# Altium PCB HORNET-1-IPG.PcbDoc (part 6 of 8) (continued)
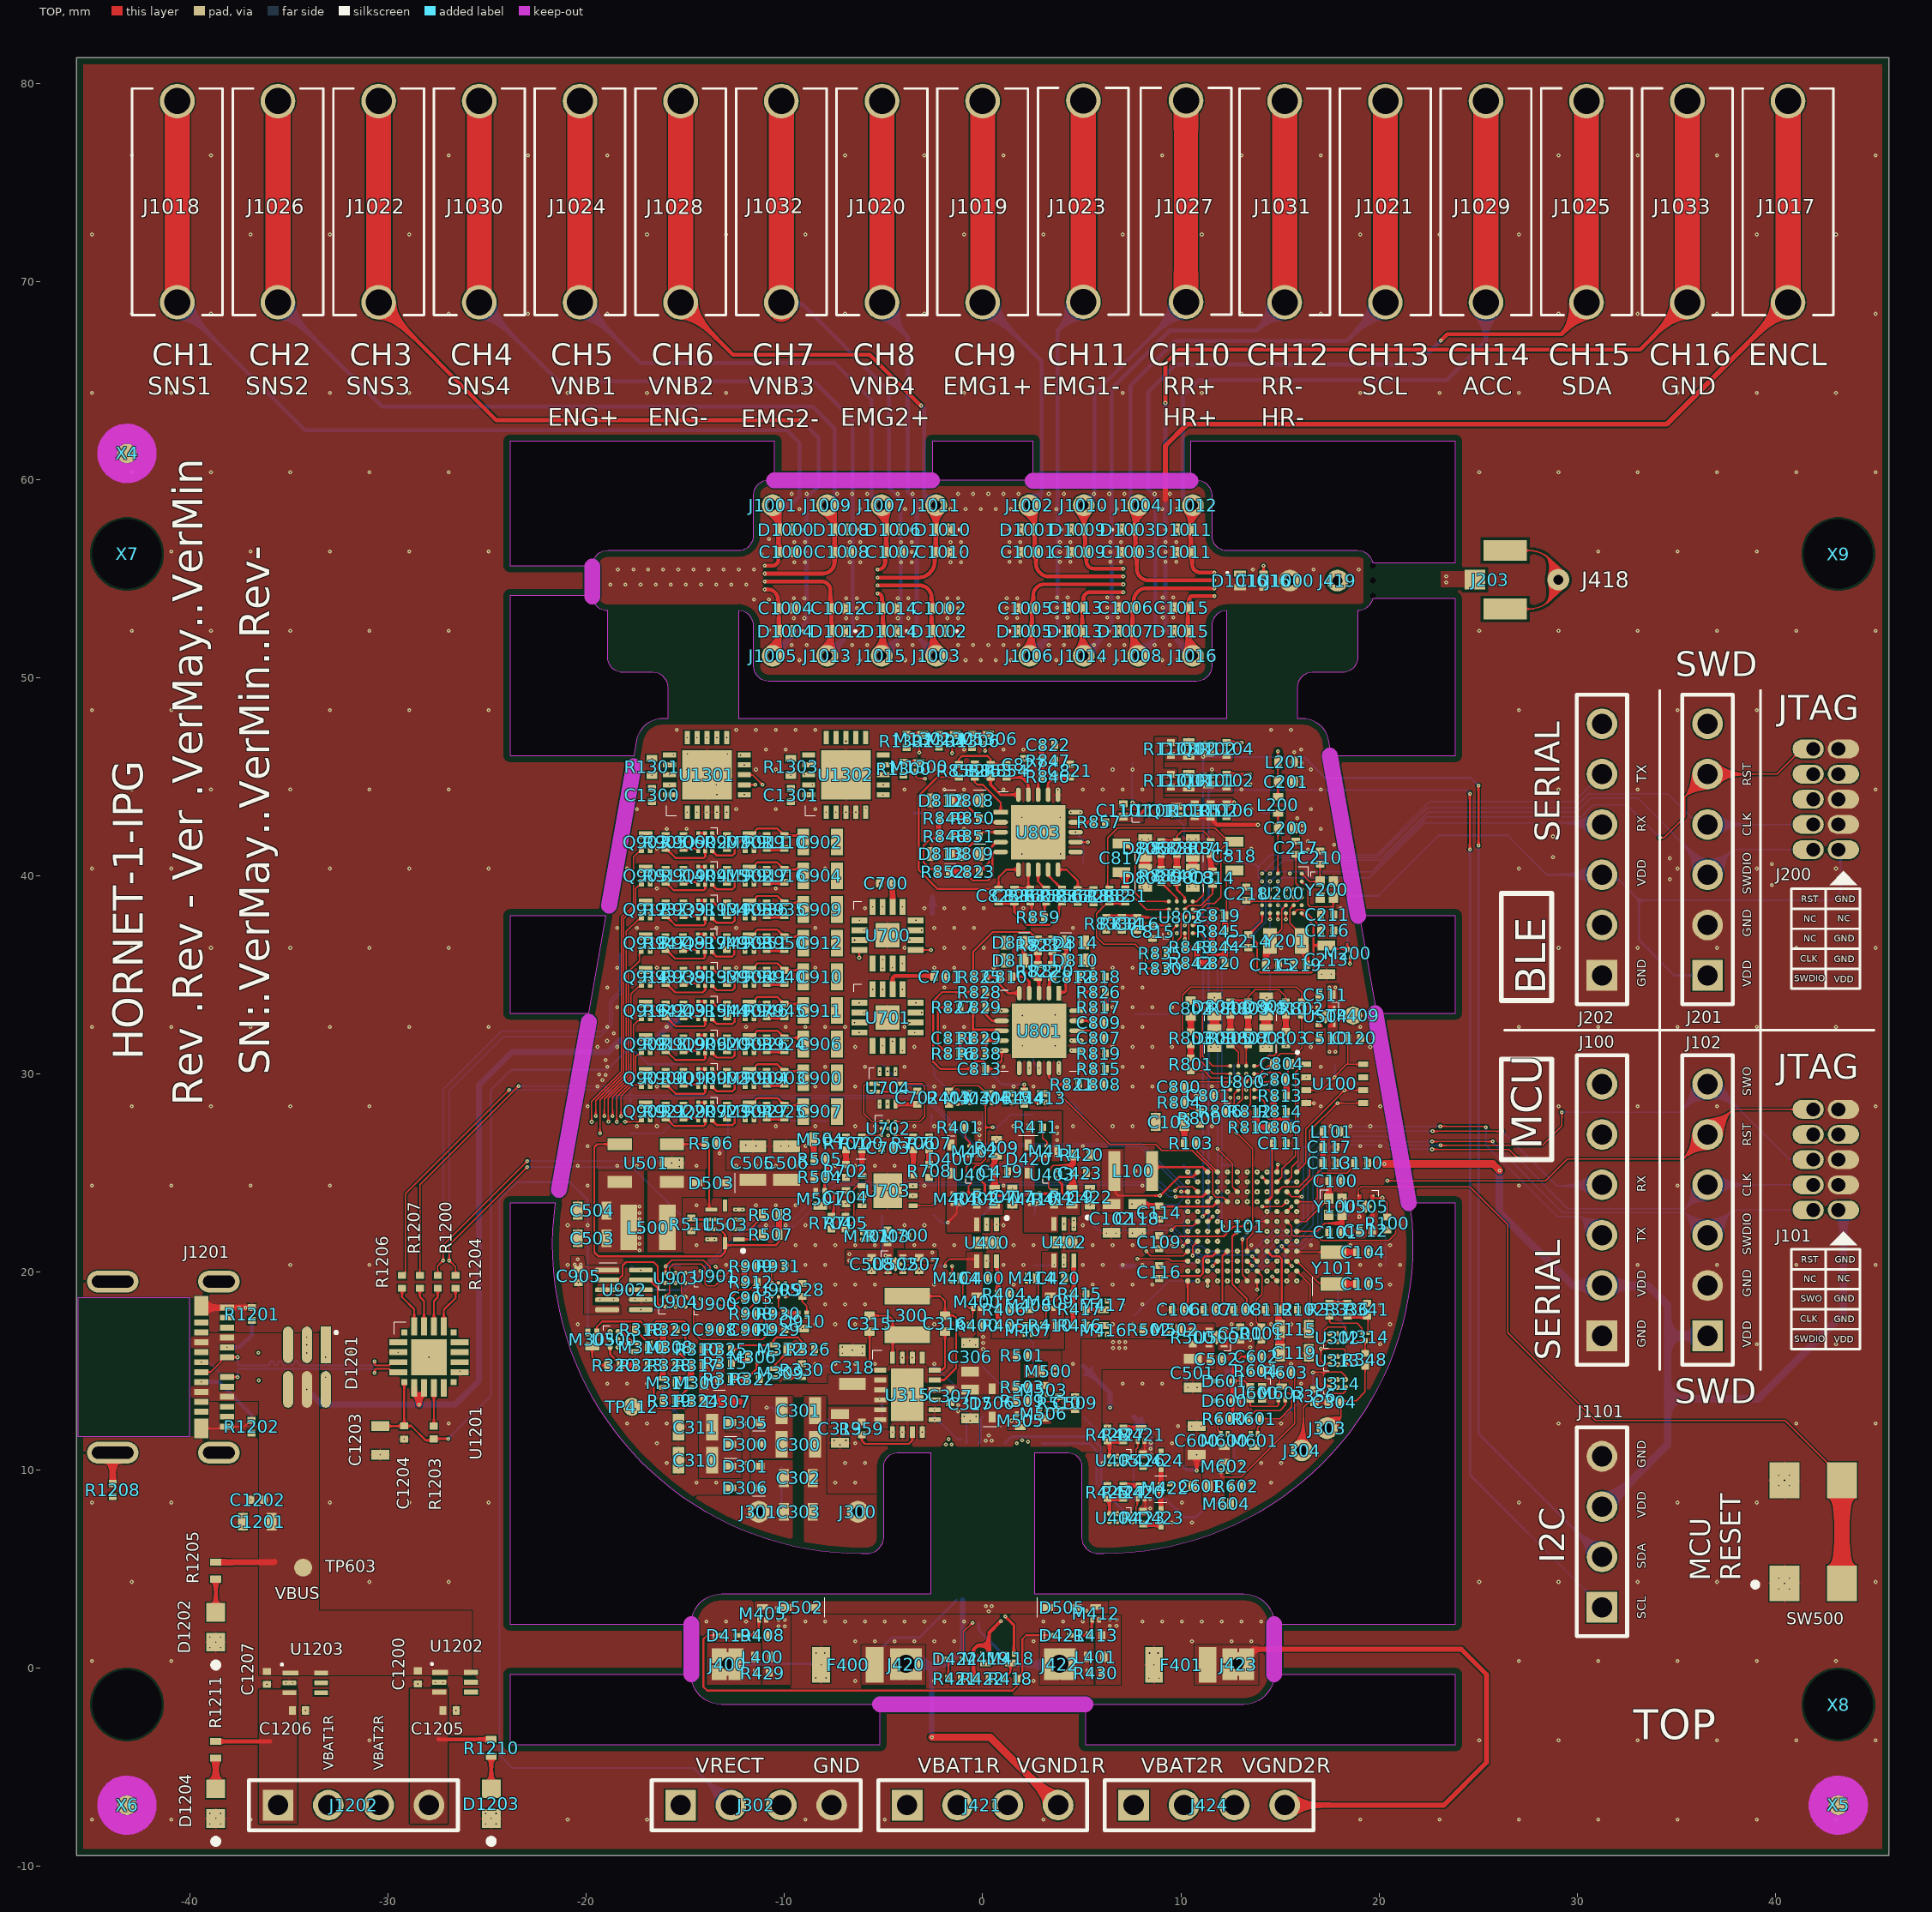
[diagram p0: TOP view]
## Nets (pads, with @x,y where several pads share a name; then routed paths per layer and width w, separated by ;. In a path a pad name is that pad's centre, name@x,y a point inside that pad or via, vN(x,y) a via of type N, cw(c..) or ccw(c..) an arc to the next point about the centre after c; other vN are vias at no path point) (continued)
NetM505_1: M505.1 M506.3 R509.2
NetM600_2: M600.2 R600.2 | length 0.8
  TOP w0.06: R600.2@11.875,12.6 11.875,12.025 12.025,11.875 M600.2@12.025,11.825
NetQ900_1: Q900.1 R902.1 | length 1.4
  TOP w0.1: Q900.1@-13.65,30.25 -13.6,30.2 -13.6,30.175 -13.05,29.625 -13.05,29.6 -12.925,29.475 R902.1@-12.9,29.475 ; Q900.1@-13.615,30.175 Q900.1@-13.615,30.2 ; Q900.1@-13.665,30.25 Q900.1@-13.658,30.242 ; Q900.1@-13.665,30.25 Q900.1@-13.658,30.242 ; Q900.1@-13.665,30.25 Q900.1@-13.615,30.2 ; Q900.1@-13.658,30.242 Q900.1@-13.615,30.2 ; Q900.1@-13.658,30.242 Q900.1@-13.615,30.2 ; Q900.1@-13.658,30.242 Q900.1@-13.615,30.2
NetQ900_4: Q900.4 R901.2 | length 0.8
  TOP w0.1: R901.2@-15.1,29.475 -14.475,29.475 Q900.4@-14.35,29.35
NetQ902_1: Q902.1 R907.1 | length 1.3
  TOP w0.1: Q902.1@-13.65,42.15 -13.6,42.1 -13.6,42.075 -13.05,41.525 -13.05,41.5 -12.925,41.375 R907.1@-12.9,41.375 ; Q902.1@-13.615,42.075 Q902.1@-13.615,42.1 ; Q902.1@-13.665,42.15 Q902.1@-13.615,42.1 ; Q902.1@-13.665,42.15 Q902.1@-13.615,42.1 ; Q902.1@-13.665,42.15 Q902.1@-13.615,42.1
NetQ902_4: Q902.4 R906.2 | length 0.8
  TOP w0.1: R906.2@-15.1,41.375 -14.475,41.375 Q902.4@-14.35,41.25
NetQ904_1: Q904.1 R915.1 | length 1.3
  TOP w0.1: Q904.1@-13.65,40.45 -13.6,40.4 -13.6,40.375 -13.05,39.825 -13.05,39.8 -12.925,39.675 R915.1@-12.9,39.675 ; Q904.1@-13.615,40.375 Q904.1@-13.615,40.4 ; Q904.1@-13.665,40.45 Q904.1@-13.615,40.4 ; Q904.1@-13.665,40.45 Q904.1@-13.615,40.4 ; Q904.1@-13.665,40.45 Q904.1@-13.615,40.4
NetQ904_4: Q904.4 R914.2 | length 0.8
  TOP w0.1: R914.2@-15.1,39.675 -14.475,39.675 Q904.4@-14.35,39.55
NetQ906_1: Q906.1 R920.1 | length 1.3
  TOP w0.1: Q906.1@-13.65,31.95 -13.6,31.9 -13.6,31.875 -13.05,31.325 -13.05,31.3 -12.925,31.175 R920.1@-12.9,31.175 ; Q906.1@-13.615,31.875 Q906.1@-13.615,31.9 ; Q906.1@-13.665,31.95 Q906.1@-13.615,31.9 ; Q906.1@-13.665,31.95 Q906.1@-13.615,31.9 ; Q906.1@-13.665,31.95 Q906.1@-13.615,31.9
NetQ906_4: Q906.4 R919.2 | length 0.8
  TOP w0.1: R919.2@-15.1,31.175 -14.475,31.175 Q906.4@-14.35,31.05
NetQ907_1: Q907.1 R923.1 | length 1.3
  TOP w0.1: Q907.1@-13.65,28.55 -13.6,28.5 -13.6,28.475 -13.05,27.925 -13.05,27.9 -12.925,27.775 R923.1@-12.9,27.775 ; Q907.1@-13.615,28.475 Q907.1@-13.615,28.5 ; Q907.1@-13.665,28.55 Q907.1@-13.615,28.5 ; Q907.1@-13.665,28.55 Q907.1@-13.615,28.5 ; Q907.1@-13.665,28.55 Q907.1@-13.615,28.5
NetQ907_4: Q907.4 R922.2 | length 0.8
  TOP w0.1: R922.2@-15.1,27.775 -14.475,27.775 Q907.4@-14.35,27.65
NetQ910_1: Q910.1 R928.2 | length 1
  TOP w0.06: R928.2@-9.1,18.775 -9.1,18.5 -8.875,18.275 Q910.1@-8.875,17.85
NetQ911_1: Q911.1 R934.1 | length 1.3
  TOP w0.1: Q911.1@-13.65,38.75 -13.6,38.7 -13.6,38.675 -13.05,38.125 -13.05,38.1 -12.925,37.975 R934.1@-12.9,37.975 ; Q911.1@-13.615,38.675 Q911.1@-13.615,38.7 ; Q911.1@-13.665,38.75 Q911.1@-13.615,38.7 ; Q911.1@-13.665,38.75 Q911.1@-13.615,38.7 ; Q911.1@-13.665,38.75 Q911.1@-13.615,38.7
NetQ911_4: Q911.4 R933.2 | length 0.8
  TOP w0.1: R933.2@-15.1,37.975 -14.475,37.975 Q911.4@-14.35,37.85
NetQ913_1: Q913.1 R939.1 | length 1.3
  TOP w0.1: Q913.1@-13.65,35.35 -13.6,35.3 -13.6,35.275 -13.05,34.725 -13.05,34.7 -12.925,34.575 R939.1@-12.9,34.575 ; Q913.1@-13.615,35.275 Q913.1@-13.615,35.3 ; Q913.1@-13.665,35.35 Q913.1@-13.615,35.3 ; Q913.1@-13.665,35.35 Q913.1@-13.615,35.3 ; Q913.1@-13.665,35.35 Q913.1@-13.615,35.3
NetQ913_4: Q913.4 R938.2 | length 0.8
  TOP w0.1: R938.2@-15.1,34.575 -14.475,34.575 Q913.4@-14.35,34.45
NetQ915_1: Q915.1 R944.1 | length 1.4
  TOP w0.1: Q915.1@-13.65,33.65 -13.6,33.6 -13.6,33.575 -13.05,33.025 -13.05,33 -12.925,32.875 R944.1@-12.9,32.875 ; Q915.1@-13.615,33.575 Q915.1@-13.615,33.6 ; Q915.1@-13.665,33.65 Q915.1@-13.658,33.642 ; Q915.1@-13.665,33.65 Q915.1@-13.658,33.642 ; Q915.1@-13.665,33.65 Q915.1@-13.615,33.6 ; Q915.1@-13.658,33.642 Q915.1@-13.615,33.6 ; Q915.1@-13.658,33.642 Q915.1@-13.615,33.6 ; Q915.1@-13.658,33.642 Q915.1@-13.615,33.6
NetQ915_4: Q915.4 R943.2 | length 0.8
  TOP w0.1: R943.2@-15.1,32.875 -14.475,32.875 Q915.4@-14.35,32.75
NetQ917_1: Q917.1 R949.1 | length 1.1
  TOP w0.1: Q917.1@-13.668,37.05 -13.618,37 -13.618,36.975 -13.068,36.425 -13.068,36.4 -12.943,36.275 R949.1@-12.918,36.275
NetQ917_4: Q917.4 R948.2 | length 0.8
  TOP w0.1: R948.2@-15.118,36.275 -14.493,36.275 Q917.4@-14.368,36.15
NetQ1103_3: Q1103.3 R1101.1 R1103.1 R1105.1 U1101.4
NetR101_2: R101.2 U101.B5 | length 3.2
  TOP w0.06: U101.B5@13.85,20.05 14.095,19.805 14.095,18.874 13.8,18.579 13.8,17.485 R101.2@14.07,17.215
NetR102_1: R102.1 U101.B1 | length 2.2
  TOP w0.06: U101.B1@15.85,20.05 16.525,19.375 R102.1@16.525,18.1
NetR103_1: R103.1 U101.M9 | length 2.7
  TOP w0.06: U101.M9@11.85,25.05 10.8,26.1 ; 10.8,26.1 R103.1@10.8,26.5 ; 10.8,26.1 R103.1@10.8,26.5 ; 10.8,26.1 R103.1@10.8,26.5
NetR320_2: R320.2 R323.1 U300.C1 | length 1.9
  TOP w0.1: U300.C1@-18.8,16.2 -18.8,15.85 -18.4,15.45 -18.275,15.325 R320.2@-18.275,15.3
  TOP w0.254: R320.2@-18.275,15.3 R323.1@-17.525,15.3
NetR404_1: R404.1 R405.1 R406.1 U400.6 | length 4.4
  TOP w0.2: U400.6@0.7,20.6 U400.6@0.725,20.575 ; R406.1@0.775,18.1 R405.1@0.775,17.325 ; R406.1@0.775,18.125 R404.1@0.775,18.9 0.775,20.025 0.725,20.075 ; 0.725,20.075 U400.6@0.725,20.575 ; 0.725,20.075 U400.6@0.725,20.575 ; 0.725,20.075 U400.6@0.725,20.575 ; R405.1@0.775,17.325 R405.1@0.8,17.3 ; R405.1@0.775,17.325 R405.1@0.8,17.3 ; R405.1@0.775,17.325 R405.1@0.8,17.3
NetR415_1: R415.1 R416.1 R417.1 U402.6 | length 6.7
  TOP w0.2: R417.1@4.575,18.1 R416.1@4.575,17.325 ; R417.1@4.575,18.125 R415.1@4.575,18.9 ; R416.1@4.575,17.325 R416.1@4.6,17.3 ; R416.1@4.575,17.325 R416.1@4.6,17.3 ; R416.1@4.575,17.325 R416.1@4.6,17.3 ; R415.1@4.6,18.9 U402.6@4.6,20.575 ; R415.1@4.6,18.9 U402.6@4.6,20.575 ; R415.1@4.6,18.9 U402.6@4.6,20.575
NetR424_2: R424.2 R425.1 U404.C1 | length 1.6
  TOP w0.06: R425.1@6.3,8.575 R425.1@6.4,8.475
  TOP w0.152: U404.C1@6.4,7.8 R425.1@6.4,8.475
  TOP w0.254: R425.1@6.3,8.575 R424.2@7.1,8.575
NetR427_2: R427.2 R428.1 U405.C1 | length 1.6
  TOP w0.07: R428.1@6.3,11.475 R428.1@6.4,11.475
  TOP w0.152: U405.C1@6.4,10.7 R428.1@6.4,11.475
  TOP w0.254: R428.1@6.4,11.475 R427.2@7.1,11.475
NetR506_1: R506.1 U501.3 U503.6 | length 5.2
  TOP w0.1: U501.3@-15.69,26.45 -14.075,26.45 R506.1@-14.025,26.5 -14.025,26.475 -13.9,26.35 -13.875,26.35 -13.8,26.275 -13.8,23.2 -13.75,23.15 U503.6@-13.7,23.15
NetR511_1: R511.1 U503.7 | length 1.1
  TOP w0.1: U503.7@-13.7,22.65 R511.1@-14.55,22.65 ; R511.1@-14.6,22.6 R511.1@-14.588,22.612 ; R511.1@-14.6,22.6 R511.1@-14.588,22.612 ; R511.1@-14.6,22.6 R511.1@-14.55,22.65 ; R511.1@-14.6,22.6 R511.1@-14.588,22.612 ; R511.1@-14.588,22.612 R511.1@-14.55,22.65 ; R511.1@-14.588,22.612 R511.1@-14.55,22.65 ; R511.1@-14.588,22.612 R511.1@-14.55,22.65
NetR700_1: R700.1 U702.B1 U702.C1 | length 1.3
  TOP w0.06: R700.1@-6.1,26.825 R700.1@-6.025,26.75 ; R700.1@-5.99,26.895 U702.C1@-5.145,26.895 ; U702.C1@-5.115,26.925 U702.B1@-5.115,27.245
NetR700_2: R700.2 R701.1 U703.1 | length 2.4
  TOP w0.06: R701.1@-6.9,26.825 -6.875,26.825 -6.354,26.304 -6.204,26.304 R700.2@-6.1,26.2 ; R700.2@-6.1,26.175 R700.2@-6.085,26.16
  TOP w0.254: U703.1@-6.085,24.85 R700.2@-6.085,26.16
NetR701_2: R701.2 R702.1 U703.4 | length 3.2
  TOP w0.06: R702.1@-6.9,25.4 v8(-6.9,25.421) R702.1@-6.9,25.425
  TOP w0.254: R702.1@-6.9,25.425 R701.2@-6.9,26.175
  AVERT w0.1: v8(-6.9,25.421) -6.5,25.021 -6.5,23.765 v8(-6.085,23.35)
NetR704_1: R704.1 R705.1 U703.2 | length 3.5
  TOP w0.06: R704.1@-7.638,22.162 R705.1@-6.918,22.162 ; R705.1@-6.961,22.119 R705.1@-6.918,22.162 ; U703.2@-6.085,24.35 -6.095,24.36 -6.335,24.36 -6.509,24.186 -6.509,22.571 R705.1@-6.918,22.162
NetR706_1: R706.1 U702.B3 U702.C3 | length 1.3
  TOP w0.06: U702.B3@-4.414,27.245 U702.C3@-4.414,26.895 R706.1@-3.54,26.895 ; R706.1@-3.575,26.75 R706.1@-3.5,26.825
NetR706_2: R706.2 R707.1 U703.8 | length 2.9
  TOP w0.06: R706.2@-3.5,26.175 -3.371,26.304 -3.246,26.304 R707.1@-2.75,26.8 ; U703.8@-3.5,24.9 U703.8@-3.4,24.8 ; U703.8@-3.5,24.9 U703.8@-3.4,24.8 ; U703.8@-3.5,24.9 U703.8@-3.4,24.8 ; R707.1@-2.75,26.8 R707.1@-2.7,26.8 ; R707.1@-2.75,26.8 R707.1@-2.7,26.8 ; R707.1@-2.75,26.8 R707.1@-2.7,26.8
  TOP w0.254: U703.8@-3.5,24.9 R706.2@-3.5,26.175
NetR707_2: R707.2 R708.1 U703.5 | length 4.3
  TOP w0.06: U703.5@-3.515,23.35 -2.55,23.35 -2.205,23.695 -2.205,25.255 -2.375,25.425 R708.1@-2.7,25.425
  TOP w0.254: R708.1@-2.7,25.425 R707.2@-2.7,26.175
NetR801_2: R801.2 R802.2 R803.1 | length 10.1
  TOP w0.06: R803.1@10.5,31.475 10.475,31.475 10.08,31.87 10.08,33.976 10.484,34.38 15.83,34.38 16.1,34.11 R802.2@16.1,33.625
  TOP w0.254: R801.2@10.5,30.802 R803.1@10.5,31.475
NetR806_1: R806.1 U800.B2 | length 1.2
  TOP w0.06: R806.1@12.4,28.2 12.47,28.27 12.695,28.495 12.695,28.995 U800.B2@12.9,29.2
NetR808_2: R808.2 R809.2 R810.1 | length 3.6
  TOP w0.06: R809.2@13.4,33.625 13.4,33.9 13.76,34.26 14.94,34.26 15.3,33.9 R810.1@15.3,33.625
  TOP w0.254: R808.2@12.5,33.625 R809.2@13.4,33.625
NetR813_2: R813.2 R814.1 U800.D2 | length 2.7
  TOP w0.06: U800.D2@13.7,29.2 14.4,29.2 R813.2@14.53,29.07 ; R813.2@14.53,29.07 R813.2@14.688,28.913 ; R813.2@14.53,29.07 R813.2@14.688,28.913 ; R813.2@14.53,29.07 R813.2@14.688,28.913 ; R813.2@14.53,29.07 R813.2@14.688,28.913 ; R814.1@14.675,28.125 R814.1@14.7,28.1 ; R814.1@14.675,28.125 R814.1@14.7,28.1 ; R814.1@14.675,28.125 R814.1@14.7,28.1
  TOP w0.254: R814.1@14.675,28.125 R813.2@14.675,28.9
NetR817_1: R817.1 R818.2 R826.2 | length 1.6
  TOP w0.102: R817.1@6.189,33.354 R826.2@6.189,34.129 R818.2@6.189,34.905
NetR821_1: R821.1 U801.14 | length 1.5
  TOP w0.127: U801.14@3.345,30.291 3.345,29.833 3.708,29.469 R821.1@4.197,29.469
NetR823_2: R823.2 R824.2 R825.1 | length 5.8
  TOP w0.102: R825.1@-0.488,34.902 -0.488,36.164 0.507,37.159 2.392,37.159 2.73,36.821 R823.2@2.785,36.821 R824.2@3.516,36.821
NetR830_1: R830.1 R831.2 R832.1 | length 6.8
  TOP w0.06: R832.1@6.4,38.675 6.255,38.53 6.187,38.53 5.74,38.084 5.74,36.906 6.112,36.534 7.687,36.534 8.204,36.017 8.204,35.462 8.346,35.319 R830.1@8.653,35.319 ; R831.2@7.175,38.675 R831.2@7.2,38.7
  TOP w0.254: R832.1@6.4,38.675 R831.2@7.175,38.675
NetR835_1: R835.1 U802.B2 | length 1.6
  TOP w0.06: R835.1@9.303,36.1 9.303,36.403 9.595,36.695 9.595,36.88 9.595,37.181 9.595,37.295 U802.B2@9.8,37.5
NetR836_2: R836.2 R837.2 R841.1 | length 3.7
  TOP w0.06: R836.2@9.8,41.725 9.8,42 10.06,42.26 11.14,42.26 11.4,42 ; R841.1@11.4,41.725 11.4,42 ; R841.1@11.4,41.725 11.4,42 ; R841.1@11.4,41.725 11.4,42
  TOP w0.254: R837.2@9,41.725 R836.2@9.8,41.725
NetR844_1: R844.1 R845.2 U802.D2 | length 2
  TOP w0.06: U802.D2@10.6,37.5 10.855,37.5 11.3,37.5 11.43,37.37 R845.2@11.575,37.225 ; R844.1@11.5,36.3 11.575,36.375 R844.1@11.575,36.4
  TOP w0.254: R844.1@11.575,36.4 R845.2@11.575,37.225
NetR848_2: R848.2 R849.2 R852.1 | length 3.6
  TOP w0.1: R852.1@-2.325,40.2 -2.325,40.225 -2.45,40.35 -2.65,40.35 -2.87,40.57 -2.875,40.57 -2.98,40.675 -2.98,41.525 -2.875,41.63 -2.87,41.63 -2.629,41.871 -2.35,41.871 -2.225,41.996 R848.2@-2.225,42
  TOP w0.254: R848.2@-2.225,42 R849.2@-2.225,42.9
NetR853_2: R853.2 R854.1 R855.2 | length 3.1
  TOP w0.102: R855.2@-1.2,45.625 -1.2,45.888 -1.038,46.05 0.245,46.05 0.4,45.895 R853.2@0.4,45.625
  TOP w0.127: R853.2@0.4,45.625 R854.1@1.2,45.625
NetR857_1: R857.1 U803.14 | length 0.9
  TOP w0.152: U803.14@4.691,42.7 R857.1@5.551,42.7
NetR909_2: R909.2 R912.2 U901.2 U901.5 | length 2.8
  TOP w0.06: U901.2@-13.75,19.55 -13.5,19.8 -13,19.8 U901.5@-12.8,20 ; U901.5@-12.75,20.05 -12.5,20.3 -12.495,20.3 R909.2@-12.025,20.3 ; R912.2@-12.013,19.512 R912.2@-12.025,19.525 ; R912.2@-12.025,19.525 R912.2@-12,19.5 ; R912.2@-12.025,19.525 R912.2@-12,19.5 ; R912.2@-12.025,19.525 R912.2@-12,19.5
  TOP w0.254: R912.2@-12.025,19.525 R909.2@-12.025,20.275
NetR912_1: R912.1 U900.5 | length 1.7
  TOP w0.06: U900.5@-12.75,18.65 -12.395,19.005 -12.3,19.1 -11.775,19.1 -11.545,19.33 -11.52,19.33 -11.375,19.475 R912.1@-11.375,19.5
NetR928_1: R928.1 U905.C1 | length 1.2
  TOP w0.06: U905.C1@-9.95,18.75 -9.8,18.75 R928.1@-9.15,19.4 ; R928.1@-9.15,19.4 R928.1@-9.1,19.4 ; R928.1@-9.15,19.4 R928.1@-9.1,19.4 ; R928.1@-9.15,19.4 R928.1@-9.1,19.4
NetR931_1: R931.1 U905.A3 U905.B3 | length 1.4
  TOP w0.06: R931.1@-10.613,20.287 R931.1@-10.65,20.25 ; U905.B3@-10.3,19.45 U905.A3@-10.65,19.45 R931.1@-10.65,20.25 ; R931.1@-10.65,20.25 R931.1@-10.6,20.3 ; R931.1@-10.65,20.25 R931.1@-10.6,20.3 ; R931.1@-10.65,20.25 R931.1@-10.6,20.3
NetR1200_2: R1200.2 U1201.18 | length 2
  TOP w0.1: U1201.18@-27.69,17.25 -27.69,18.538 -27.5,18.728 R1200.2@-27.5,19.175
NetR1203_1: R1203.1 U1201.9 | length 1.9
  TOP w0.1: R1203.1@-27.7,12.225 -27.69,12.235 U1201.9@-27.69,14.15
NetR1204_2: R1204.2 U1201.17 | length 2.2
  TOP w0.1: U1201.17@-27.19,17.25 -27.19,18.098 -26.6,18.688 R1204.2@-26.6,19.175
NetR1206_2: R1206.2 U1201.20 | length 2.2
  TOP w0.1: R1206.2@-29.3,19.175 -29.3,18.734 -28.69,18.124 U1201.20@-28.69,17.25
NetR1207_2: R1207.2 U1201.19 | length 2
  TOP w0.1: R1207.2@-28.4,19.175 -28.4,18.748 -28.19,18.538 U1201.19@-28.19,17.25
NetR1301_1: R1301.1 U1301.13 | length 3.2
  AVERT w0.2: v8(-16.696,45.917) -16.131,46.482 -14.408,46.482 v8(-13.914,46.977)
NetR1303_1: R1303.1 U1302.13 | length 3.1
  AHOR w0.2: v3(-9.686,45.917) -8.815,46.789 v3(-6.9,46.789)
NetSW500_3: SW500.3 SW500.4 U505.2 | length 39.4
  TOP w0.06: U505.2@18.954,23.856 18.954,24.171 19.091,24.308 24.592,24.308 26.5,22.4 26.5,16.934 30.934,12.5 40.5,12.5 43.055,9.945 43.055,9.795 SW500.4@43.36,9.49
  TOP w0.762: SW500.3@43.36,4.29 SW500.4@43.36,9.49
NetTP902_1: TP902.1 U902.10 | length 0.6
  TOP w0.06: U902.10@-17.25,20.1 -17.25,20.095 v7(-17.247,20.091)
  BOT w0.06: TP902.1@-17.78,20.32 v7(-17.247,20.091)
  other v6: -17.247,20.091
PG_START: U101.C2 U900.2 | length 43.2
  TOP w0.06: U101.C2@15.35,20.55 v9(15.6,20.3)
  DVERT w0.06: v12(-13.75,12.5) v9(-13.75,18.15) ; v12(15.6,12.5) v9(15.6,20.3)
  DHOR w0.06: v12(-13.75,12.5) v12(15.6,12.5)
PH1_EN: U101.A1 U901.1 | length 41.6
  DVERT w0.06: v12(-14.25,13.8) -14.25,17.8 v9(-14.25,19.55) ; v12(15.851,13.808) v9@15.851,19.55
  DHOR w0.06: v12(-14.25,13.8) -14.242,13.808 v12(15.851,13.808)
  other v9: 15.85,19.55
PH1_OUT: TP900.1 U901.7 U903.6 | length 3.8
  TOP w0.06: U903.6@-16,19.95 v7(-16,20.3) -15.7,20.6 -14.1,20.6 -13.8,20.3 -13.75,20.25 U901.7@-13.75,20.05
  BOT w0.06: v7(-16,20.3) -15.99,20.31 -15.25,20.31 TP900.1@-15.24,20.32
  other v6: -16,20.3
PH2_EN: U101.B2 U901.6 | length 42.6
  TOP w0.06: v9(-13.475,20.275) U901.6@-13.25,20.05
  DVERT w0.06: v12(-13.475,13.377) v9(-13.475,20.275) ; v12(15.1,13.377) 15.1,19.8 v9(15.35,20.05)
  DHOR w0.06: v12(-13.475,13.377) 5.08,13.377 11.854,13.377 v12(15.1,13.377)
PH2_OUT: TP901.1 U901.3 U904.6 | length 6.2
  TOP w0.06: U904.6@-16,18.75 -15.8,18.95 -15.8,20.2 -15.7,20.3 -15.6,20.4 -14.2,20.4 -14,20.2 -14,19.4 -13.9,19.3 -13.5,19.3 v7(-13.25,19.55)
  BOT w0.06: v7(-13.25,19.55) -13.25,19.588 -12.7,20.138 TP901.1@-12.7,20.32
  other v6: -13.25,19.55
RC2_VC: C601.2 M602.1 M604.1 R603.2 TP604.1 | length 9.9
  TOP w0.06: M602.1@12.025,9.96 12.025,9.699 12.084,9.64 13.04,9.64 14.3,10.9 15.75,12.35 15.75,14.95 15.625,15.075 R603.2@15.625,15.1
  AHOR w0.06: v3@15.674,14.929 16.351,14.929 v11(16.358,14.935)
  BOT w0.06: TP604.1@15.24,15.24 16.192,15.24 16.358,15.075 v11(16.358,14.935)
  other v3: 15.606,14.925
  other v7: 16.358,14.935
  other v13: 16.358,14.935
  other v17: 16.358,14.935
  other v18: 16.358,14.935
SNK1: M900.1 U101.B9 | length 37.5
  DVERT w0.06: v12(-11.586,18.124) v12(-11.586,29.45) ; v9(11.85,20.05) 12.125,19.775 v12(12.125,18.124)
  DHOR w0.06: v6(-11.987,29.45) v12(-11.586,29.45) ; v12(-11.586,18.124) v12(12.125,18.124)
SNK2: M901.1 U101.C8 | length 50.8
  TOP w0.06: v9(12.35,20.55) U101.C8@12.355,20.55
  DVERT w0.06: v12(-8.719,41.35) -8.716,41.347 -8.716,18.342 v12(-8.712,18.339) ; v9@12.355,20.55 12.355,20.512 12.531,20.336 12.531,20.108 12.776,19.863 13.042,19.863 13.125,19.78 13.125,18.8 v12(13.125,18.339)
  DHOR w0.06: v6(-11.987,41.35) v12(-8.719,41.35) ; v12(-8.712,18.339) 5.08,18.339 v12(13.125,18.339)
SNK3: M902.1 U101.A8 | length 48.1
  DVERT w0.06: v12(-9.15,17.711) v12(-9.15,39.65) ; v12(12.35,17.711) v9(12.35,19.55)
  DHOR w0.06: v6(-11.987,39.65) v12(-9.15,39.65) ; v12(-9.15,17.711) v12(12.35,17.711)
SNK4: M903.1 U101.D7 | length 40
  TOP w0.06: v9(12.85,21.05) U101.D7@12.85,21.054
  DVERT w0.06: v12(-11.189,18.935) -11.189,18.951 -11.315,19.077 -11.315,31.008 -11.189,31.134 v12(-11.189,31.15) ; v9@12.85,21.054 13.359,20.545 v12(13.359,18.935)
  DHOR w0.06: v6(-11.987,31.15) v12(-11.189,31.15) ; v12(-11.189,18.935) -1.078,18.935 -1.067,18.924 5.08,18.924 9.6,18.924 13.348,18.924 v12(13.359,18.935)
SNK5: M905.1 U101.J10 | length 39.4
  TOP w0.06: U101.J10@11.35,23.55 11.35,23.554 11.53,23.734 v6(11.53,23.738)
  DVERT w0.06: v12(-9.571,37.95) -9.571,37.912 -9.5,37.841 v12(-9.5,22.7)
  DHOR w0.06: v6(-11.987,37.95) v12(-9.571,37.95) ; v12(-9.5,22.7) 5.08,22.7 9.6,22.7 10.322,22.7 11.34,23.718 11.51,23.718 v6(11.53,23.738)
SNK6: M906.1 U101.J11 | length 34.3
  DVERT w0.06: v12(-10.391,34.55) -10.39,34.549 v12(-10.389,23.256) v12(-10.389,23.256)
  DHOR w0.06: v6(-11.987,34.55) v12(-10.391,34.55) ; v12(-10.389,23.256) -10.387,23.254 9.6,23.254 10.554,23.254 v6(10.85,23.55)
SNK7: M907.1 U101.H11 | length 34
  DVERT w0.06: v12(-10.783,22.31) v12(-10.783,32.85) ; v11(10.623,22.323) 10.623,22.823 v9(10.85,23.05)
  DHOR w0.06: v6(-11.987,32.85) v12(-10.783,32.85) ; v12(-10.783,22.31) 9.6,22.31 10.61,22.31 v11(10.623,22.323)
SNK8: M908.1 U101.H12 | length 35.5
  DVERT w0.06: v12(-9.968,23.05) v12(-9.968,36.25)
  DHOR w0.06: v6(-11.99,36.25) v12(-9.968,36.25) ; v12(-9.968,23.05) 9.6,23.05 v6(10.35,23.05)
SNK17: M904.1 U101.A3 | length 40.3
  TOP w0.06: v9(14.609,19.78) 14.615,19.78 14.845,19.55 U101.A3@14.85,19.55
  DVERT w0.06: v12(-12,17.075) -11.994,17.081 -11.994,27.742 v9(-11.987,27.749) ; v9(14.609,19.78) 14.609,18.8 14.609,17.076 v12(14.611,17.075)
  DHOR w0.06: v12(-12,17.075) v12(14.611,17.075)
SNS_STIM1: C900.2 C1000.2 D1000.2 J1001.1 J1018.1 J1018.2 | length 88.3
  TOP w0.2: v13(-10.998,55.649) -10.607,55.649 ccw(c-10.607,55.956) -10.3,55.956 C1000.2@-10.3,56.323 ; J1001.1@-10.6,58.697 cw(c-10.6,58.366) -10.268,58.366 D1000.2@-10.268,57.472 ccw(c-10.268,57.441) -10.3,57.441 -10.3,56.373 C1000.2@-10.3,56.323 ; C1000.2@-10.3,56.323 -10.41,56.213 C1000.2@-10.3,56.323
  TOP w1.27: J1018.1@-40.64,68.936 J1018.2@-40.64,79.096
  AHOR w0.2: v10(-14.651,29.8) v3(-7.35,29.8)
  AVERT w0.127: v10(-14.651,29.8) -14.651,44.123 -14.5,44.274 v13(-14.5,45.516)
  GND w0.2: v13(-14.5,45.516) -14.5,47.893 -14.5,52.478 -14.5,52.874 cw(c-11.724,52.874) -14.455,53.373 cw(c-11.724,52.874) -11.724,55.649 v13(-10.998,55.649)
  BOT w0.2: J1001.1@-10.516,58.801 -9.705,58.697 -9.246,59.157 -9.246,61.849 -9.881,62.484 -10.032,62.484
  BOT w0.203: J1018.1@-40.64,68.936 -34.188,62.484 -10.032,62.484
  other v8: -10.998,55.649
  other v10: -14.5,45.516 -10.998,55.649
SNS_STIM2: C902.2 C1008.2 D1008.2 J1009.1 J1026.1 J1026.2 | length 74.1
  TOP w0.2: v8(-10.998,55.249) -8.054,55.249 ccw(c-8.054,55.829) -7.474,55.829 -7.474,56.34 ccw(c-7.507,56.34) -7.477,56.353 ccw(c-7.507,56.34) -7.507,56.373 ccw(c-7.507,56.405) -7.474,56.405 D1008.2@-7.474,57.472 -7.474,58.315 ccw(c-7.857,58.315) J1009.1@-7.857,58.697
  TOP w1.27: J1026.1@-35.56,68.936 J1026.2@-35.56,79.096
  AHOR w0.2: v10(-14.162,41.7) v3(-7.35,41.7)
  AVERT w0.127: v10(-14.162,41.7) -14.162,43.583 -14.1,43.646 v13(-14.1,45.516)
  GND w0.2: v13(-14.1,45.516) -14.1,52.856 cw(c-11.707,52.856) -11.707,55.249 v8(-10.998,55.249)
  BOT w0.203: J1026.1@-35.56,68.936 -30.302,63.678 -10.495,63.678 -8.586,63.678 -7.474,62.567 -7.474,59.977 J1009.1@-7.474,58.819
  other v10: -14.1,45.516 -10.998,55.249
  other v13: -10.998,55.249
SNS_STIM3: C904.2 C1004.2 D1004.2 J1005.1 J1022.1 J1022.2 | length 73.1
  TOP w0.2: v10(-10.998,54.449) -10.835,54.449 cw(c-10.835,53.948) -10.333,53.948 C1004.2@-10.333,53.505 cw(c-10.333,53.455) -10.283,53.455 -10.283,52.305 -10.283,51.414 cw(c-10.6,51.414) J1005.1@-10.6,51.097
  TOP w0.203: J1022.1@-30.48,68.936 -24.536,62.992 v6(-9.169,62.992)
  TOP w1.27: J1022.1@-30.48,68.936 J1022.2@-30.48,79.096
  AHOR w0.2: v10(-13.163,39.978) -13.141,40 v3(-7.35,40)
  AVERT w0.127: v13(-13.3,45.516) -13.163,45.379 v10(-13.163,39.978)
  GND w0.2: v13(-13.3,45.516) -13.3,52.856 cw(c-11.707,52.856) -11.707,54.449 v10(-10.998,54.449)
  BOT w0.2: J1005.1@-10.6,51.097 -8.89,52.807 -8.89,59.068 -8.28,59.677 -8.28,62.103 v6(-9.169,62.992)
  other v7: -9.169,62.992
  other v8: -10.998,54.449
  other v10: -13.3,45.516
  other v13: -10.998,54.449
SNS_STIM4: C906.2 C1012.2 D1012.2 J1013.1 J1030.1 J1030.2 | length 82.4
  TOP w0.2: v8(-10.998,54.849) -8.121,54.849 cw(c-8.121,54.414) -7.686,54.414 C1012.2@-7.686,53.505 cw(c-7.686,53.452) -7.633,53.452 -7.633,52.305 -7.633,51.321 cw(c-7.857,51.321) J1013.1@-7.857,51.097
  TOP w1.27: J1030.1@-25.4,68.936 J1030.2@-25.4,79.096
  AHOR w0.2: v10(-13.66,31.5) v3(-7.35,31.5)
  AVERT w0.127: v13(-13.7,45.516) -13.7,43.847 -13.669,43.817 -13.669,31.509 v10(-13.66,31.5)
  GND w0.2: v13(-13.7,45.516) -13.7,52.856 cw(c-11.707,52.856) -11.707,54.849 v8(-10.998,54.849)
  BOT w0.203: J1030.1@-25.4,68.936 -21.412,64.948 -8.509,64.948 -6.568,63.006 -6.568,52.387 J1013.1@-7.857,51.097
  other v10: -13.7,45.516 -10.998,54.849
  other v13: -10.998,54.849
SPI1.BLE_CSn: U101.G12 U200.F6 | length 21.2
  TOP w0.06: v6(14.5,37.8) U200.F6@14.5,38.112
  DVERT w0.06: v11(9.405,37.8) 9.405,23.222 10.077,22.55 v9(10.35,22.55)
  DHOR w0.06: v11(9.405,37.8) 10.855,37.8 v6(14.5,37.8)
SPI1.FRAM_CSn: U100.1 U101.L3 | length 6.8
  TOP w0.06: U101.L3@14.85,24.55 15.1,24.8 15.1,25.2 15.7,25.8 15.784,25.884 15.784,30.084 16.16,30.46 U100.1@16.55,30.46
SPI1.MISO: U100.2 U101.L2 U200.E5 | length 15.6
  TOP w0.06: U200.E5@14.901,38.512 v6(14.904,38.515) ; U101.L2@15.35,24.55 15.6,24.8 15.6,25.3 15.911,25.611 15.911,25.8 15.911,29.511 16.225,29.825 16.235,29.835 v9(16.326,29.835)
  DVERT w0.06: v9(16.326,29.835) 16.565,30.074 v11(16.565,37.588)
  DHOR w0.06: v6(14.904,38.515) 15.638,38.515 16.282,37.872 v11(16.565,37.588)
SPI1.MOSI: U100.5 U101.K3 U200.E6 | length 20
  TOP w0.06: v9(14.9,37.8) U200.E6@14.9,38.112 ; U101.K3@14.91,24.09 15.123,24.303 15.962,24.303 16.5,24.841 16.5,27.125 v6(17.9,28.525) U100.5@19.126,28.525
  DVERT w0.06: v12(14.9,28.525) v9(14.9,37.8)
  DHOR w0.06: v12(14.9,28.525) v6(17.9,28.525)
SPI1.SCK: U100.6 U101.M1 U200.D6 | length 18
  TOP w0.06: v9(15.3,37.8) U200.D6@15.3,38.112 ; U101.M1@15.85,25.05 16.3,25.5 16.3,27.225 v6(18.25,29.175) U100.6@19.196,29.175
  DVERT w0.06: v12@15.3,29.179 v9(15.3,37.8)
  DHOR w0.06: v12(15.298,29.177) v6(18.25,29.175)
SR_SEL1: M1302.1 U101.B11 | length 40.7
  TOP w0.06: v9(-3.2,46.216) M1302.1@-3.2,46.68
  DVERT w0.06: v12(-3.2,20.095) v9(-3.2,46.216)
  DHOR w0.06: v12(-3.2,20.095) 5.08,20.095 9.6,20.095 10.767,20.095 10.812,20.05 v6(10.85,20.05)
SR_SEL1n: M1302.3 R1302.2 U1301.8 U1301.19 | length 16.2
  TOP w0.06: U1301.8@-12.029,45.092 -11.605,45.092 v6(-11.103,44.589)
  TOP w0.254: v9(-3.839,47.125) M1302.3@-3.025,47.125
  DVERT w0.06: v12(-4.301,44.586) -4.301,46.662 v9(-3.839,47.125)
  DHOR w0.06: v6(-15.799,44.589) v6(-11.103,44.589) -10.103,44.589 -10.101,44.588 -4.303,44.588 v12(-4.301,44.586)
SR_SEL2: M1305.1 U101.E11 | length 38.9
  TOP w0.06: v9(-1.54,46.184) M1305.1@-1.54,46.68 ; v6(10.6,20.825) 10.6,21.3 U101.E11@10.85,21.55
  DVERT w0.06: v9(-1.54,46.184) -1.532,46.176 -1.532,29.251 -1.485,29.204 -1.485,29.046 -1.532,28.999 -1.532,20.832 v11(-1.525,20.825)
  DHOR w0.06: v11(-1.525,20.825) 5.08,20.825 v6(10.6,20.825)
SR_SEL2n: M1305.3 R1304.2 U1301.9 U1301.17 | length 15.9
  TOP w0.254: v9(-2.2,47.135) -2.195,47.13 -1.405,47.13 M1305.3@-1.4,47.125
  DVERT w0.127: v12(-2.2,45.592) -2.195,45.597 v9@-2.195,47.13
  DHOR w0.127: v6(-15.799,45.592) v6(-12.029,45.592) v12(-2.2,45.592)
SRC1: Q901.1 U101.C9 | length 47.4
  TOP w0.06: v9(-18.249,27.859) -18.249,28.88 -17.68,29.45 Q901.1@-17.225,29.45 ; v9@11.6,20.303 v9(11.602,20.303) ; v9(11.602,20.303) U101.C9@11.85,20.55
  DVERT w0.06: v12(-18.25,16.637) v9(-18.249,27.859) ; v12@11.601,16.638 v9@11.601,20.302
  DHOR w0.06: v12(-18.25,16.637) v12(11.602,16.637)
SRC2: Q903.1 U101.A9 | length 63.3
  TOP w0.06: v9(-19.732,27.575) -19.732,28.608 -18.23,30.11 -18.23,37.9 -17.63,38.5 -17.63,39.496 -17.63,40.945 -17.391,41.184 -17.32,41.184 -17.225,41.279 Q903.1@-17.225,41.35
  DVERT w0.06: v9(-19.732,27.575) -19.732,15.336 v12(-19.521,15.125) ; v12(11.737,15.002) 11.737,15.029 11.85,15.143 v9(11.85,19.55)
  DHOR w0.06: v12(-19.521,15.125) -19.483,15.125 -19.376,15.018 -17.22,15.018 5.08,15.006 v12(11.737,15.002)
SRC3: Q905.1 U101.B8 | length 60.2
  TOP w0.06: v9(-19.521,27.871) -19.521,28.649 -18.11,30.06 -18.11,37.845 -17.51,38.445 -17.51,38.916 -17.51,39.365 -17.391,39.484 -17.32,39.484 -17.225,39.579 Q905.1@-17.225,39.65
  DVERT w0.06: v12(-19.521,16.44) v9(-19.521,27.871) ; v9(12.35,20.05) 12.62,19.78 12.62,16.462 v12(12.597,16.44)
  DHOR w0.06: v12(-19.521,16.44) -19.286,16.205 5.08,16.205 12.363,16.205 v12(12.597,16.44)
SRC4: Q908.1 U101.A7 | length 51.5
  TOP w0.06: v9(-18.465,27.575) -18.465,28.835 -17.51,29.789 -17.51,30.865 -17.391,30.984 -17.32,30.984 -17.225,31.079 Q908.1@-17.225,31.15
  DVERT w0.06: v9(-18.465,27.575) -18.465,15.526 v12(-17.289,15.526) ; v12(12.85,15.526) v9(12.85,19.55)
  DHOR w0.06: v12(-17.289,15.526) 5.08,15.526 v12(12.85,15.526)
SRC5: Q912.1 U101.L12 | length 44
  TOP w0.06: v9(-19.309,27) -19.309,28.691 -17.99,30.01 -17.99,37.185 -17.391,37.784 -17.32,37.784 -17.225,37.879 Q912.1@-17.225,37.95
  DVERT w0.06: v12@-19.309,24.55 v12(-19.309,24.559) v9(-19.309,27)
  DHOR w0.06: v12@-19.309,24.55 v6(10.35,24.55)
SRC6: Q914.1 U101.M12 | length 39.6
  TOP w0.06: v9(-18.887,27.58) -18.887,28.774 -17.75,29.911 -17.75,34.025 -17.391,34.384 -17.32,34.384 -17.225,34.479 Q914.1@-17.225,34.55
  DVERT w0.06: v12(-18.887,25.05) v9(-18.887,27.58)
  DHOR w0.06: v12(-18.887,25.05) -6.903,25.05 -6.784,24.931 5.08,24.931 9.6,24.931 10.201,24.931 10.32,25.05 v6(10.35,25.05)
SRC7: Q916.1 U101.J12 | length 38.9
  TOP w0.06: v9(-18.676,27.871) -18.676,28.815 -17.63,29.861 -17.63,32.445 -17.391,32.684 -17.32,32.684 -17.225,32.779 Q916.1@-17.225,32.85
  DVERT w0.06: v12(-18.676,23.637) v9(-18.676,27.871)
  DHOR w0.06: v12(-18.676,23.637) 2.743,23.637 2.83,23.55 9.6,23.55 v6(10.35,23.55)
SRC8: Q918.1 U101.H10 | length 47
  TOP w0.06: v9(-19.098,27.871) -19.098,28.732 -19.007,28.823 -18.011,29.82 -17.87,29.96 -17.87,35.156 -17.323,35.703 -17.323,36.155 Q918.1@-17.228,36.25 ; v6(11.1,22.8) U101.H10@11.35,23.05
  DVERT w0.06: v12(-19.1,21.55) -19.1,27.261 -19.098,27.262 v9(-19.098,27.871)
  DHOR w0.06: v12(-19.1,21.55) 10.65,21.55 11.1,22 v6(11.1,22.8)
SRC17: Q909.1 U101.C4 | length 50.1
  TOP w0.06: v9(-18.042,27.58) -17.32,27.58 -17.225,27.675 Q909.1@-17.225,27.75
  DVERT w0.06: v12(-18.042,16.01) v9(-18.042,27.58) ; v12(14.16,16.018) 14.16,18.8 14.16,19.77 14.35,19.96 v9(14.35,20.55)
  DHOR w0.06: v12(-18.042,16.01) -18.042,15.692 -17.583,15.233 5.066,15.233 5.068,15.235 5.08,15.235 13.377,15.235 v12(14.16,16.018)
STIM_EN: U101.B3 U905.B2 | length 38.5
  DVERT w0.06: v12(-10.3,12.894) v9(-10.3,19.1) ; v12(14.85,12.894) v9(14.85,20.05)
  DHOR w0.06: v12(-10.3,12.894) v12(14.85,12.894)
SW1_VCHG: C315.2 L300.1 U315.20 | length 3.2
  TOP w0.1: C315.2@-5.7,17.8 -4.753,17.8 -4.547,17.594 -4.547,15.678 U315.20@-4.55,15.675
SW2_VCHG: C316.2 L300.2 U315.15 | length 7.2
  TOP w0.1: L300.2@-3.81,18.78 -2.147,18.78 -1.9,18.534 C316.2@-1.9,17.8 -1.456,17.8 -1.341,17.684 -1.341,15.159 -1.95,14.55 U315.15@-2.425,14.55
SWCLK: J101.4 J102.4 TP100.1 U101.C11 | length 38.3
  TOP w0.06: v6@22.726,26.191 26.565,26.191 v6(27.026,25.73)
  BOT w0.06: TP100.1@10.16,20.32 10.278,20.438 10.7,20.438 10.812,20.55 v6(10.85,20.55) 11.264,20.129 13.475,20.11 14.04,20.11 15.1,21.17 16.095,21.17 17.109,22.184 17.109,25.848 17.676,26.415 20.185,26.415 20.406,26.194 21.509,26.194 v7@22.674,26.194 ; v6(27.026,25.73) 27.483,25.273 ; 27.483,25.248 29.53,23.2 35.45,23.2 36.58,24.33 J102.4@36.58,24.4 ; J102.4@36.83,24.4 J101.4@41.91,24.4
  other v6: 22.677,26.191
  other v7: 10.85,20.55 27.026,25.73 22.677,26.191